# Altium PCB PIXHACK_V3X2.PcbDoc (part 1 of 3) (continued)
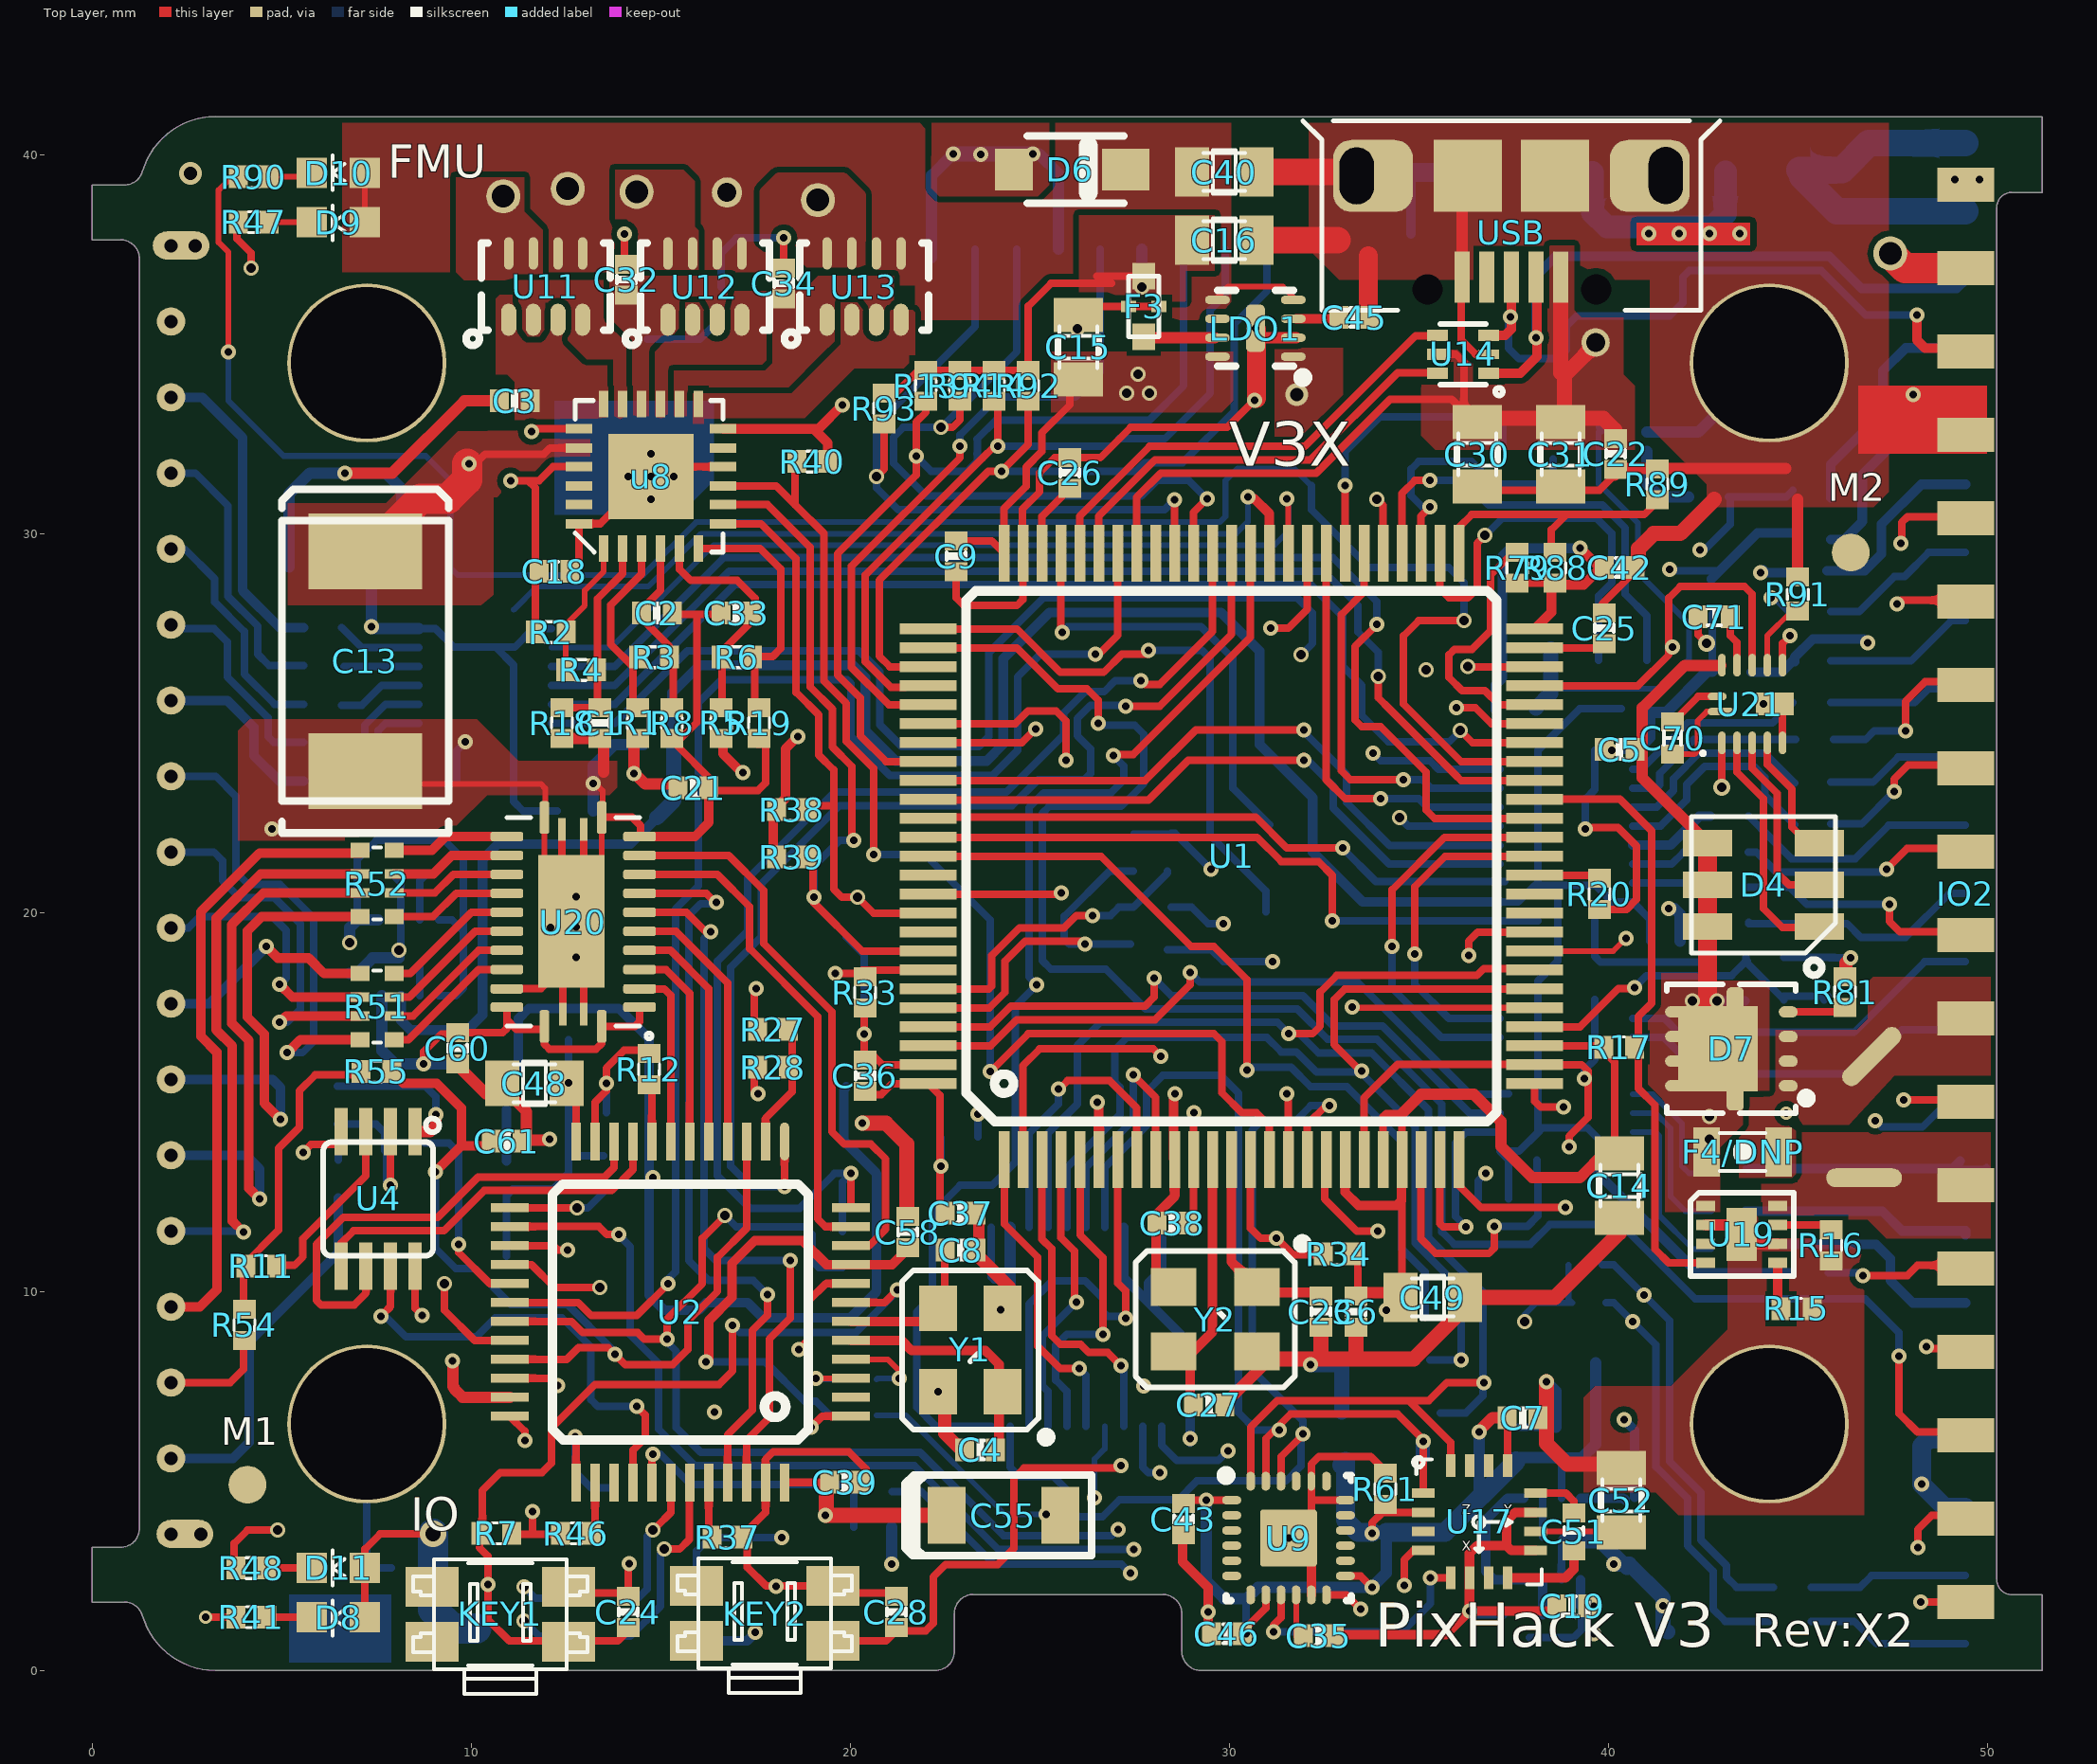
[diagram p0: Top Layer view]
## Components (designator, comment, footprint, x,y, rotation, side; value= is the part's Value field where it differs from the comment) (continued)
M1 "MARK" MARK 4.1,4.9 r0 top
M2 "MARK" MARK 46.4,29.5 r0 top
M3 "MARK" MARK 5.3,11.5 r180 bottom
M4 "MARK" MARK 36.4,34.8 r180 bottom
R1 "309k" R0402 14.4,25 r270 top
R2 "453K" R0402 12.1,27.4 r180 top
R3 "24.9k" R0402 14.824,26.736 r180 top
R4 "56K" R0402 12.9,26.4 r180 top
R5 "453K" R0402 16.6,25 r270 top
R6 "56K" R0402 17.006,26.736 r180 top
R7 "10k" R0402 10.666,3.617 r0 top
R8 "75k" R0402 15.3,25 r90 top
R9 "100R" R0402 44.866,2.217 r180 bottom
R10 "100R" R0402 44.866,1.217 r180 bottom
R11 "220R" R0402 4.466,10.667 r180 top
R12 "10K" R0402 14.691,15.867 r270 top
R13 "0402R100K" 0402R#1 22,33.9 r90 top
R14 "0402R100K" 0402R#1 23.8,33.9 r90 top
R15 "10K" R0402 44.968,9.544 r0 top
R16 "16.5K" R0402 45.882,11.22 r270 top
R17 "10K" R0402 40.291,16.442 r0 top
R18 "105k" R0402 12.4,25 r90 top
R19 "105k" R0402 17.6,25 r90 top
R20 "10k" R0402 39.766,20.492 r270 top
R21 "10k" R0402 44.141,17.692 r180 bottom
R22 "10K" R0402 44.141,18.692 r180 bottom
R23 "10k" R0402 45.366,30.017 r0 bottom
R24 "1M" R0402 42.741,28.292 r90 bottom
R25 "10k" R0402 39.4,10.8 r0 bottom
R26 "10k" R0402 45.366,28.017 r0 bottom
R27 "10K" R0402 17.966,16.917 r0 top
R28 "5.1K" R0402 17.966,15.917 r0 top
R29 "2K2" R0402 28.55,21.6 r270 bottom
R30 "10k" R0402 39.4,9.7 r0 bottom
R31 "2K2" R0402 27.35,21.6 r270 bottom
R32 "10k" R0402 45.366,29.017 r0 bottom
R33 "10k" R0402 20.391,17.892 r270 top
R34 "10k" R0402 32.891,10.992 r0 top
R35 "10k" R0402 45.366,31.117 r0 bottom
R36 "1M" R0402 42.666,30.942 r0 bottom
R37 "10K" R0402 16.766,3.517 r180 top
R38 "1M" R0402 18.466,22.717 r0 top
R39 "1M" R0402 18.466,21.467 r0 top
R40 "1M" R0402 19,31.9 r180 top
R41 "1K" R0402 4.2,1.4 r0 top
R42 "10K" R0402 20.6,3.8 r180 bottom
R43 "10k" R0402 45.366,26.617 r0 bottom
R44 "10K" R0402 43.266,26.317 r0 bottom
R45 "220r" R0402 10.95,15.2 r90 bottom
R46 "10K" R0402 12.766,3.617 r0 top
R47 "1k" R0402 4.266,38.217 r180 top
R48 "1k" R0402 4.2,2.7 r180 top
R49 "1K" R0402 37.516,25.317 r0 bottom
R50 "220R" R0402 6.566,12.917 r90 bottom
R51 "100R" 0402_4R 7.491,17.542 r270 top
R52 "100R" 0402_4R 7.491,20.792 r270 top
R53 "1k" R0402 8.266,13.892 r0 bottom
R54 "220R" R0402 4.016,9.117 r270 top
R55 "1K" R0402 7.5,15.8 r180 top
R56 "100R" R0402 6.091,27.642 r180 bottom
R57 "100R" R0402 6.091,26.567 r180 bottom
R58 "100R" R0402 6.091,25.492 r180 bottom
R59 "22R" R0402 6.091,24.442 r180 bottom
R60 "100R" R0402 6.091,23.367 r180 bottom
R61 "10K" R0402 34.116,4.792 r270 top
R62 "1K" R0402 20.6,4.7 r0 bottom
R63 "100R" R0402 43.166,20.617 r0 bottom
R64 "100R" R0402 43.166,21.517 r0 bottom
R65 "100R" R0402 43.166,22.517 r0 bottom
R66 "100R" R0402 45.366,22.317 r0 bottom
R67 "100R" R0402 45.366,23.417 r0 bottom
R68 "100R" R0402 45.366,24.417 r0 bottom
R69 "100R" R0402 45.366,25.517 r0 bottom
R70 "100R" R0402 43.166,11.117 r0 bottom
R71 "100R" R0402 43.166,12.117 r0 bottom
R72 "100R" R0402 43.166,13.117 r0 bottom
R73 "100R" R0402 27.966,19.017 r0 bottom
R74 "100R" R0402 27.966,20.117 r0 bottom
R75 "100R" R0402 43.166,15.617 r0 bottom
R76 "100R" R0402 43.166,16.717 r0 bottom
R77 "100R" R0402 43.166,19.717 r180 bottom
R78 "100R" R0402 45.316,10.517 r180 bottom
R79 "10K" R0402 37.6,29.1 r270 top
R80 "1k" R0402 16.6,36.1 r90 bottom
R81 "1k" R0402 46.25,17.9 r90 top
R82 "10k" R0402 19.7,7.2 r270 bottom
R83 "10k" R0402 20.7,7.2 r270 bottom
R84 "220R" R0402 19.8,11.1 r90 bottom
R85 "220R" R0402 13.5,13.1 r270 bottom
R86 "220R" R0402 13.5,0.9 r0 bottom
R87 "220R" R0402 13.5,1.9 r0 bottom
R88 "10K" R0402 38.6,29.1 r270 top
R89 "10K/DNP" R0402 41.3,31.3 r90 top
R90 "1k" R0402 4.266,39.417 r180 top
R91 "62K" 0402R#2 45,28.4 r270 top
R92 "0402R100K" 0402R#1 24.7,33.9 r90 top
R93 "0402R100K" 0402R#1 20.9,33.3 r90 top
R94 "0402R100K" 0402R#1 22.9,33.9 r90 top
TF1 "5033981892" 5033981892 27.7,32.7 r180 bottom locked
U1 "STM32F427VIT6" TQFP100_2 30.61,21.159 r90 top locked
U2 "STM32F103C8T6" TQFP48 15.37,9.558 r180 top
U3 "TXS0108ERGYR" QFN20-RGY 10.45,26.2 r270 bottom
U4 "74LVC2G240DP" "TSSOP8 - duplicate" 7.598,12.623 r270 top
U5 "FM25V02-G" SO-8 39.116,29.817 r270 bottom
U6 "TXS0108ERGYR" QFN20-RGY 38.816,21.567 r90 bottom
U7 "TXS0108ERGYR" QFN20-RGY 38.816,14.992 r90 bottom
u8 "LTC4417IUF#PBF" QFN24 14.774,31.539 r90 top
U9 "MPU9250/DNP" QFN24-0.4 31.566,3.492 r0 top
U10 "MIC5330-SSYML" MIC5530#2 8.4,18.8 r270 bottom
U11 "NTHD4102PT1G" 1206A-03 11.966,36.517 r90 top
U12 "NTHD4102PT1G" 1206A-03 16.166,36.517 r90 top
U13 "NTHD4102PT1G" 1206A-03 20.366,36.517 r90 top
U14 "NUF2042XV6T1G" SOT563-6 36.216,34.692 r180 top
U16 "PWR1-2" PAS414R-S-VE5R 19.8,17.2 r180 bottom
U17 "HMC5983/DNP" HMC5983 36.691,3.892 r0 top
U18 "ms5611" ms5611 34.091,7.492 r270 bottom
U19 "BQ24315DSGR" QFN8 43.518,11.505 r0 top
U20 "SN74LVC8T245" QFN24-RGY 12.641,19.642 r90 top
U21 "NCP5623C" "LLGA12, 2x2" 43.8,25.5 r90 top
USB "47589-0001" "MOLES USB" 37.37,38.164 r0 top
Y1 "NX3225SA-24.000M-STD-CRS-2" TSX-3225 23.252,8.488 r270 top
Y2 "NX3225SA-24.000M-STD-CRS-2" TSX-3225 29.594,9.348 r0 top

## Footprints (in the part's own frame and the unit in brackets; to place one, negate y for a bottom-side part, rotate by r counter-clockwise, add the part's x,y. Pads: shape width x height; smd on the part's side, far side on the other; paste and mask are expansions set on the pad)
0402_4R [mm]
  rect 0.4x0.5 smd: 1(-0.85,-0.425) 4(0.9,-0.425) 5(0.9,0.475) 8(-0.85,0.475)
  rect 0.25x0.5 smd: 2(-0.225,-0.425) 3(0.275,-0.425) 6(0.275,0.475) 7(-0.225,0.475)
  silkscreen extent -0.93,-0.08 0.97,0.12, body extent -0.97,-0.5 1.03,0.5, height 0.45
0402C [mm]
  rect 0.5x0.6 smd: 1(-0.425,0) 2(0.425,0)
  silkscreen extent -0.18,-0.23 0.17,0.23, body extent -0.5,-0.25 0.5,0.25, height 0.5
0402CAP#1 [mm]
  rect 0.5x0.6 smd: 1(-0.41,0) 2(0.41,0)
  silkscreen extent -0.1,-0.25 0.1,0.25, body extent -0.5,-0.25 0.5,0.25, height 0.5
0402CAP#2 [mm]
  rect 0.5x0.6 smd: 1(-0.48,0) 2(0.53,0)
  silkscreen extent -0.1,-0.25 0.1,0.25, body extent -0.5,-0.25 0.5,0.25, height 0.5
0402CAP#3 [mm]
  rect 0.5x0.6 smd: 1(-0.41,0) 2(0.467,0)
  silkscreen extent -0.1,-0.25 0.1,0.25, body extent -0.5,-0.25 0.5,0.25, height 0.5
0402R#1 [mm]
  rect 0.5x0.6 smd: 1(-0.41,0) 2(0.41,0)
  silkscreen extent -0.13,-0.27 0.14,0.28, body extent -0.5,-0.25 0.5,0.25, height 0.3
0402R#2 [mm]
  rect 0.5x0.6 smd: 1(-0.45,0) 2(0.45,0)
  silkscreen extent -0.13,-0.27 0.14,0.28, body extent -0.5,-0.25 0.5,0.25, height 0.3
0603-LED-Green [mm]
  rect 0.8x0.8 smd: 1(-0.7,0) 2(0.7,0)
  silkscreen extent -0.16,-0.44 0.15,0.48, body extent -0.83,-0.38 0.77,0.42, height 0.6
0603-LED-RED [mm]
  rect 0.8x0.8 smd: 1(-0.7,0) 2(0.7,0)
  silkscreen extent -0.16,-0.44 0.15,0.48, body extent -0.81,-0.38 0.81,0.42, height 0.6
0603-LED-Yellow [mm]
  rect 0.8x0.8 smd: 1(-0.7,0) 2(0.7,0)
  silkscreen extent -0.16,-0.46 0.15,0.46, body extent -0.81,-0.4 0.81,0.4, height 1.1
0805CAP#1 [mm]
  rect 0.9x1.3 smd: 1(-0.85,-0.025) 2(0.85,-0.025)
  silkscreen extent -0.55,-0.6 0.55,0.55, body extent -1,-0.62 1,0.58, height 1.2
0805CAP#2 [mm]
  rect 0.9x1.2 smd: 1(-0.85,-0.025) 2(0.85,-0.025)
  silkscreen extent -0.55,-0.6 0.55,0.55, body extent -1,-0.62 1,0.58, height 1.2
0805L [mm]
  rect 0.7x1.3 smd: 1(-0.95,0.025) 2(0.95,0.025)
  silkscreen extent -0.6,-0.47 0.6,0.53, body extent -0.97,-0.6 1.03,0.65, height 0.45
1206A-03 [mm]
  oval 0.85x0.4 smd: 1(-0.875,0.975) 2(-0.875,0.325) 3(-0.875,-0.325) 4(-0.875,-0.975)
  oval 0.85x0.25 smd: 5(0.875,-0.975) 6(0.875,-0.325) 7(0.875,0.325) 8(0.875,0.975)
  silkscreen extent -1.55,-1.7 1.15,2.1, body extent -1.2,-1.55 1.2,1.55, height 1.05
7343CAP#1 [mm]
  rect 2x2.5 smd: A(-2.518,-0.084) C(3.289,-0.084)
  silkscreen extent -4.15,-2.28 4.92,2.12, body extent -3.14,-2.4 4.16,1.9, height 2.25
7343CAP#2 [mm]
  rect 2x3 smd: A(-2.518,-0.084) C(3.289,-0.084)
  silkscreen extent -4.15,-2.28 4.92,2.12, body extent -3.14,-2.4 4.16,1.9, height 2.25
0547220204 [mm]
  rect 0.25x1.25 smd: 1(-2.05,2.475) 2(-1.55,2.475) 3(-1.05,2.475) 4(-0.55,2.475) 5(-0.05,2.475) 6(0.45,2.475) 7(0.95,2.475) 8(1.45,2.475) 9(1.95,2.475) 10(2.45,2.475) 11(2.45,-2.775) 12(1.95,-2.775) 13(1.45,-2.775) 14(0.95,-2.775) 15(0.45,-2.775) 16(-0.05,-2.775) 17(-0.55,-2.775) 18(-1.05,-2.775) 19(-1.55,-2.775) 20(-2.05,-2.775)
  silkscreen extent -3.58,-2.67 3.97,2.33, body extent -3.6,-3.13 4,2.87, height 1.07
5033981892 [mm]
  rect 0.7x0.9 smd: 0(-5.1,-7.4) 10(-0.8,-7.4)
  rect 1x3 smd: 0(5.5,-6.025) 6(-7.25,-6.025)
  rect 0.7x1.5 smd: 1(-3.3,5) 2(-2.2,5) 3(-1.1,5) 4(0,5) 5(1.1,5) 6(2.2,5) 7(3.3,5) 8(4.4,5)
  rect 1.25x2 smd: 6(-7.1,5.2)
  rect 0.75x3 smd: 6(5.55,4.775)
  silkscreen extent -7.54,-7.58 5.74,9.5, body extent -7.45,-7.52 5.65,6.53, height 1.26
c1206a [mm]
  rect 1x1.5 smd: 1(0,0) 2(3,0)
  silkscreen extent -1.09,-1.07 3.83,1.07, body extent -0.1,-0.81 3.1,0.79, height 0.95
DFN3x3_8L [mm]
  oval 0.5x0.3 smd: 1(-1.6,-0.325) 1(-1.6,0.325) 1(-1.6,0.975) 4(-1.6,-0.975) 5(1.4,-0.975) 5(1.4,-0.325) 5(1.4,0.325) 5(1.4,0.975)
  rrect50% 0.45x3.25 smd: 5(-0.2,0)
  rect 2.1x2.25 smd: 5(0.25,0)
  silkscreen extent -2.2,-1.7 1.6,1.7, body extent -1.6,-1.5 1.42,1.5, height 0.8
ESD0402 [mm]
  rect 0.5x0.6 smd: 1(-0.55,-0.025) 2(0.45,-0.025)
  silkscreen extent -0.05,-0.33 -0.05,0.27, body extent -0.55,-0.28 0.45,0.22, height 0.3
EVQ-P7J01P#1 [mm]
  rect 1.4x1.05 smd: A1(-1.799,0.763) A2(1.801,0.763) A3(-1.799,-0.687) A4(1.801,-0.687)
  silkscreen extent -2.3,-2.06 2.3,1.49, body extent -2.35,-2.05 2.35,1.5, height 1.35
EVQ-P7J01P#2 [mm]
  rect 1.4x1.05 smd: A1(-1.799,0.763) A2(1.801,0.763) A4(1.801,-0.687) B3(-1.799,-0.687)
  silkscreen extent -2.3,-2.06 2.3,1.49, body extent -2.35,-2.05 2.35,1.5, height 1.35
HMC5983 [mm]
  rect 0.6x0.25 smd: 1(-1.577,0.784) 2(-1.577,0.276) 3(-1.577,-0.228) 4(-1.577,-0.728) 9(1.393,-0.728) 10(1.393,-0.228) 11(1.393,0.276) 12(1.393,0.784)
  rect 0.25x0.6 smd: 5(-0.852,-1.453) 6(-0.352,-1.453) 7(0.152,-1.453) 8(0.66,-1.453) 13(0.66,1.518) 14(0.152,1.518) 15(-0.352,1.518) 16(-0.852,1.518)
  silkscreen extent -1.83,-1.63 1.55,1.73, body extent -1.6,-1.47 1.44,1.57, height 0.9
KYOCERA-KNH16-DA [mm]
  rect 0.3x0.4 smd: 0(0.022,0.283) 0(0.022,-0.517)
  rect 0.7x0.6 smd: 1(0.822,-0.117) 2(-0.778,-0.117)
  silkscreen extent -0.78,-0.52 0.82,0.28
"LLGA12, 2x2" [mm] "QFN, 14-Leads, Body 2.00x2.00mm, Pitch 0.40mm, Thermal Pad 0.40x1.00mm, IPC Medium Density"
  oval 0.2x0.7 smd: 1(-0.2,0.825)
  oval 0.6x0.2 smd: 2(-1.025,0.8) 3(-1.025,0.4) 4(-1.025,0) 5(-1.025,-0.4) 6(-1.025,-0.8) 7(1.025,-0.8) 8(1.025,-0.4) 9(1.025,0) 10(1.025,0.4) 11(1.025,0.8)
  oval 0.2x0.5 smd: 12(0.2,0.925)
  rect 0.6x1 smd: EXDPAD(0,-0.6)
  silkscreen extent -1.35,1.25 -1.25,1.35, body extent -1.05,-1.05 1.05,1.05, height 0.85
LRTB [mm]
  rect 0.7x1.3 smd: A1(-1.008,1.477) A2(0.092,1.477) A3(1.192,1.477) C1(-1.008,-1.473) C2(0.092,-1.473) C3(1.192,-1.473)
  silkscreen extent -2.29,-1.9 1.89,1.9, body extent -1.67,-1.8 1.83,1.8, height 2.01
MARK [mm]
  round 1 smd: 1(0,0)
mic5530 [mm] "QFN, 8-Leads, Body 2.0x2.0mm (max), Pitch 0.00mm, Pitch1 0.50mm, IPC Medium Density"
  oval 0.65x0.225 smd: 1(-1,0.75) 2(-1,0.25) 3(-1,-0.25) 4(-1,-0.75) 5(1,-0.75) 6(1,-0.25) 7(1,0.25) 8(1,0.75)
  rrect50% 0.5x1.25 smd: 2(0,0)
  silkscreen extent -1.38,-1 1,1.42, body extent -1,-1 1,1, height 0.85
MIC5530#1 [mm] "QFN, 8-Leads, Body 2.0x2.0mm (max), Pitch 0.00mm, Pitch1 0.50mm, IPC Medium Density"
  oval 0.65x0.225 smd: 1(-1,0.75) 2(-1,0.25) 3(-1,-0.25) 4(-1,-0.75) 5(1,-0.75) 6(1,-0.25)
  rrect50% 0.5x1.25 smd: 2(0,0)
  oval 0.65x0.25 smd: 7(1,0.25) 8(1,0.75)
  silkscreen extent -1.37,-1 1,1.43, body extent -1,-1 1,1, height 0.85
MIC5530#2 [mm] "QFN, 8-Leads, Body 2.0x2.0mm (max), Pitch 0.00mm, Pitch1 0.50mm, IPC Medium Density"
  oval 0.65x0.225 smd: 1(-1,0.75) 2(-1,0.25) 3(-1,-0.25) 4(-1,-0.75) 5(1,-0.75) 6(1,-0.25) 7(1,0.25) 8(1,0.75)
  rrect50% 0.5x1.25 smd: 2(0,0)
  silkscreen extent -1.37,-1 1,1.42, body extent -1,-1 1,1, height 0.85
"MOLES USB" [mm]
  round 0 hole 0.8: 0(2.308,-1.716) 5(-2.142,-1.716)
  rect 0.4x1.35 smd: 1(1.376,-1.4) 2(0.726,-1.4) 3(0.075,-1.4) 4(-0.575,-1.4) 5(-1.225,-1.4)
  round 0 hole 0.9 slot 1.5 at 90 deg: 5(-4.005,1.275) 5(4.149,1.282)
  rrect50% 2.1x1.9 smd: 5(-3.575,1.273) 5(3.726,1.273)
  rect 1.8x1.9 smd: 5(-1.073,1.273) 5(1.227,1.273)
  Top Layer lines w0.254: 0.02,-1.88 0.071,-1.829 0.075,-1.825
  silkscreen extent -5.42,-2.27 5.58,2.73, body extent -3.92,-1.87 4.06,3.56, height 2.67
ms5611 [mm]
  rect 0.6x1.1 smd: 1(1.925,1.125) 2(0.675,1.125) 3(-0.575,1.125) 4(-1.825,1.125) 5(-1.825,-1.075) 6(-0.575,-1.075) 7(0.675,-1.075) 8(1.925,-1.075)
  silkscreen extent -2.7,-1.73 2.8,1.77, body extent -2.47,-1.53 2.53,1.47, height 1
PAS414R-S-VE5R [mm]
  rect 2.6x1 smd: 1(-0.1,-1.799)
  rect 3.2x1.2 smd: 2(-0.1,2.151)
  silkscreen extent -2.5,-2.55 2.3,2.25
PIX_OP [mm]
  rect 1.5x0.9 smd: 1(0.323,-17.456) 2(0.323,-15.256) 3(0.323,-13.056) 4(0.323,-10.856) 5(0.323,-8.656) 6(0.323,-6.456) 7(0.323,-4.256) 8(0.323,-2.056) 9(0.323,0.144) 10(0.323,2.344) 11(0.323,4.544) 12(0.323,6.744) 13(0.323,8.944) 14(0.323,11.144) 15(0.323,13.344) 16(0.323,15.544) 17(0.323,17.744) 18(0.323,19.944)
  rect 1.4x0.8 smd far side: 19(0.315,-18.556) 20(0.315,-16.756) 21(0.315,-14.956) 22(0.315,-13.156) 23(0.315,-11.356) 24(0.315,-9.556) 25(0.315,-7.756) 26(0.315,-5.956) 27(0.315,-4.156) 28(0.315,-2.356) 29(0.315,-0.556) 30(0.315,1.244) 31(0.315,3.044) 32(0.315,4.844) 33(0.315,6.644) 34(0.315,8.444) 35(0.315,10.244) 36(0.315,12.044) 37(0.315,13.844) 38(0.315,15.644) 39(0.315,17.444) 40(0.315,19.244) 41(0.315,21.044)
  Keep-Out Layer lines w0.002: 0.323,-19.256 2.337,-19.256 ; 1.137,-19.256 2.337,-19.256 ; 1.137,21.744 2.337,21.744 ; 2.337,-19.256 2.337,-17.256 ; 2.337,-19.256 2.337,-17.256 ; 2.337,-17.256 1.537,-17.256 cw(c1.537,-16.856) 1.137,-16.856 1.137,19.344 cw(c1.537,19.344) 1.537,19.744 2.337,19.744 ; 2.337,19.744 2.337,21.744 ; 2.337,19.744 2.337,21.744
pix_pwm_out [mm]
  rect 2x1 smd far side: 1(-3.41,-11.235)
  rect 1.5x1 smd far side: 2(-3.645,-9.235) 3(-3.645,-7.235) 4(-3.645,-5.235) 5(-3.645,-3.235) 6(-3.645,-1.235) 7(-3.645,0.765) 8(-3.645,2.765) 9(-3.645,4.765) 10(-3.645,6.765) 11(-3.645,8.765) 12(-3.645,10.765) 13(-3.645,12.765) 14(-3.645,14.765) 15(-3.645,16.765) 16(-3.645,18.765) 17(-3.645,20.765)
  rect 1.8x1 smd far side: 18(-3.51,22.765)
QFN8 [mm]
  rect 0.5x0.28 smd: 1(-0.95,0.75) 2(-0.95,0.25) 3(-0.95,-0.25) 4(-0.95,-0.75) 5(0.95,-0.75) 6(0.95,-0.25) 7(0.95,0.25) 8(0.95,0.75)
  rect 0.8x1.4 smd: 6(0,0)
  silkscreen extent -1.35,-1.1 1.38,1.1, body extent -1.03,-1 1.08,1, height 0.94
QFN20-RGY [mm]
  rect 0.85x0.28 smd: 1(-1.79,-0.672) 10(2.71,-0.672) 11(2.71,0.828) 20(-1.79,0.828)
  rect 0.28x0.85 smd: 2(-1.29,-1.672) 3(-0.79,-1.672) 4(-0.29,-1.672) 5(0.21,-1.672) 6(0.71,-1.672) 7(1.21,-1.672) 8(1.71,-1.672) 9(2.21,-1.672) 12(2.21,1.828) 13(1.71,1.828) 14(1.21,1.828) 15(0.71,1.828) 16(0.21,1.828) 17(-0.29,1.828) 18(-0.79,1.828) 19(-1.29,1.828)
  silkscreen extent -2.11,-1.99 2.71,1.83, body extent -1.77,-1.73 2.67,1.83, height 1
QFN24 [mm]
  rect 0.7x0.25 smd: 1(-1.928,1.276) 2(-1.928,0.775) 3(-1.928,0.276) 4(-1.928,-0.225) 5(-1.928,-0.724) 6(-1.928,-1.225) 13(1.872,-1.225) 14(1.872,-0.724) 15(1.872,-0.225) 16(1.872,0.276) 17(1.872,0.775) 18(1.872,1.276)
  rect 0.25x0.7 smd: 7(-1.278,-1.875) 8(-0.778,-1.875) 9(-0.278,-1.875) 10(0.222,-1.875) 11(0.722,-1.875) 12(1.222,-1.875) 19(1.222,1.926) 20(0.722,1.926) 21(0.222,1.926) 22(-0.278,1.926) 23(-0.778,1.926) 24(-1.278,1.926)
  rect 2.25x2.25 smd: 10(-0.028,0.026)
  silkscreen extent -2.03,-1.88 1.97,2.03, body extent -2.02,-1.92 1.97,2.07, height 1
QFN24-0.4 [mm] "QFN24-0.4"
  oval 0.5x0.225 smd: 1(-1.5,1) 2(-1.5,0.6) 3(-1.5,0.2) 4(-1.5,-0.2) 5(-1.5,-0.6) 6(-1.5,-1) 13(1.5,-1) 14(1.5,-0.6) 15(1.5,-0.2) 16(1.5,0.2) 17(1.5,0.6) 18(1.5,1)
  oval 0.225x0.5 smd: 7(-1,-1.5) 8(-0.6,-1.5) 9(-0.2,-1.5) 10(0.2,-1.5) 11(0.6,-1.5) 12(1,-1.5) 19(1,1.5) 21(0.2,1.5) 22(-0.2,1.5) 23(-0.6,1.5) 24(-1,1.5)
  rrect10% 1.5x1.5 smd: 20(0,0)
  oval 0.2x0.5 smd: 20(0.6,1.5)
  silkscreen extent -1.77,-1.65 1.65,1.77, body extent -1.5,-1.5 1.5,1.5, height 1
QFN24-RGY [mm]
  rrect50% 0.864x0.25 smd mask+0.07: 1(-2.647,-0.804) 12(2.864,-0.804) 13(2.864,0.708) 24(-2.647,0.708)
  rrect50% 0.25x0.864 smd mask+0.07: 2(-2.139,-1.804) 3(-1.656,-1.804) 4(-1.148,-1.804) 5(-0.64,-1.804) 6(-0.136,-1.804) 7(0.364,-1.804) 8(0.864,-1.804) 9(1.364,-1.804) 10(1.864,-1.804) 11(2.364,-1.804) 14(2.364,1.699) 15(1.864,1.699) 16(1.364,1.699) 17(0.864,1.699) 18(0.364,1.699) 19(-0.136,1.699) 20(-0.64,1.699) 21(-1.148,1.699) 22(-1.656,1.699) 23(-2.139,1.699)
  rect 0.6x0.2 smd mask+0.07: 22(-2.325,-0.325) 22(-2.325,0.225) 22(2.55,-0.325) 22(2.55,0.25)
  rect 3.5x1.75 smd mask+0.07: 22(0.125,0)
  silkscreen extent -2.98,-2.13 2.86,1.7, body extent -2.65,-1.8 2.87,1.72, height 1
R0402 [mm]
  rect 0.5x0.6 smd: 1(-0.41,0) 2(0.41,0)
  silkscreen extent -0.13,-0.27 0.14,0.28, body extent -0.5,-0.25 0.5,0.25, height 0.3
SO-8 [mil]
  round 20 on Bottom Overlay: 0(-28.5,62.8)
  rect 59.06x25 smd: 1(-112.5,75)
  rrect50% 59.06x25 smd: 2(-112.5,25) 3(-112.5,-25) 4(-112.5,-75) 5(112.5,-75) 6(112.5,-25) 7(112.5,25) 8(112.5,75)
  silkscreen extent -51,-99 50,101, body extent -118,-96 118,96
SOD323 [mm]
  rect 0.6x0.8 smd: 1(-0.217,1.264) 2(-0.217,-1.236)
  silkscreen extent -0.87,-1.56 0.43,1.26, body extent -0.87,-1.28 0.48,1.32, height 1.1
SOD-123#1 [mm]
  rect 1x1.1 smd: 1(-1.427,0.107)
  rect 1.25x1.1 smd: 2(1.523,0.107)
  silkscreen extent -1.07,-0.78 1.47,1, body extent -1.77,-0.7 1.93,0.9, height 1.27
SOD-123#2 [mm]
  rect 1.1x1.25 smd: 1(-1.427,0.107)
  rect 1.25x1.25 smd: 2(1.323,0.107)
  silkscreen extent -1,-0.78 1.54,1, body extent -1.77,-0.65 1.93,0.95, height 1.27
SOT563-6 [mm]
  rect 0.55x0.3 smd: 1(-0.635,0.459) 3(-0.635,-0.541) 4(0.715,-0.541) 5(0.715,-0.041) 6(0.715,0.459)
  rect 0.55x0.25 smd: 2(-0.635,-0.041)
  silkscreen extent -1,-0.84 0.64,1.05, body extent -0.76,-0.85 0.86,0.75, height 0.58
TQFP48 [mm]
  rect 1x0.24 smd: 1(-4.65,2.85) 2(-4.65,2.35) 3(-4.65,1.85) 4(-4.65,1.35) 5(-4.65,0.85) 6(-4.65,0.35) 7(-4.65,-0.15) 8(-4.65,-0.65) 9(-4.65,-1.15) 10(-4.65,-1.65) 11(-4.65,-2.15) 12(-4.65,-2.65) 25(4.35,-2.65) 26(4.35,-2.15) 27(4.35,-1.65) 28(4.35,-1.15) 29(4.35,-0.65) 30(4.35,-0.15) 31(4.35,0.35) 32(4.35,0.85) 33(4.35,1.35) 34(4.35,1.85) 35(4.35,2.35) 36(4.35,2.85)
  oval 0.24x1 smd: 13(-2.9,-4.4)
  rect 0.24x1 smd: 14(-2.4,-4.4) 15(-1.9,-4.4) 16(-1.4,-4.4) 17(-0.9,-4.4) 18(-0.4,-4.4) 19(0.1,-4.4) 20(0.6,-4.4) 21(1.1,-4.4) 22(1.6,-4.4) 23(2.1,-4.4) 24(2.6,-4.4) 37(2.6,4.6) 38(2.1,4.6) 39(1.6,4.6) 40(1.1,4.6) 41(0.6,4.6) 42(0.1,4.6) 43(-0.4,4.6) 44(-0.9,4.6) 45(-1.4,4.6) 46(-1.9,4.6) 47(-2.4,4.6) 48(-2.9,4.6)
  silkscreen extent -3.52,-3.27 3.23,3.48, body extent -4.66,-4.41 4.36,4.61, height 1.1
TQFP100_2 [mm]
  rect 1.5x0.29 smd: 1(-7.675,6.55) 2(-7.675,6.05) 3(-7.675,5.55) 4(-7.675,5.05) 5(-7.675,4.55) 6(-7.675,4.05) 7(-7.675,3.55) 8(-7.675,3.05) 9(-7.675,2.55) 10(-7.675,2.05) 11(-7.675,1.55) 12(-7.675,1.05) 13(-7.675,0.55) 14(-7.675,0.05) 15(-7.675,-0.45) 16(-7.675,-0.95) 17(-7.675,-1.45) 18(-7.675,-1.95) 19(-7.675,-2.45) 20(-7.675,-2.95) 21(-7.675,-3.45) 22(-7.675,-3.95) 23(-7.675,-4.45) 24(-7.675,-4.95) 25(-7.675,-5.45) 51(8.325,-5.45) 52(8.325,-4.95) 53(8.325,-4.45) 54(8.325,-3.95) 55(8.325,-3.45) 56(8.325,-2.95) 57(8.325,-2.45) 58(8.325,-1.95) 59(8.325,-1.45) 60(8.325,-0.95) 61(8.325,-0.45) 62(8.325,0.05) 63(8.325,0.55) 64(8.325,1.05) 65(8.325,1.55) 66(8.325,2.05) 67(8.325,2.55) 68(8.325,3.05) 69(8.325,3.55) 70(8.325,4.05) 71(8.325,4.55) 72(8.325,5.05) 73(8.325,5.55) 74(8.325,6.05) 75(8.325,6.55)
  rect 0.29x1.5 smd: 26(-5.675,-7.45) 27(-5.175,-7.45) 28(-4.675,-7.45) 29(-4.175,-7.45) 30(-3.675,-7.45) 31(-3.175,-7.45) 32(-2.675,-7.45) 33(-2.175,-7.45) 34(-1.675,-7.45) 35(-1.175,-7.45) 36(-0.675,-7.45) 37(-0.175,-7.45) 38(0.325,-7.45) 39(0.825,-7.45) 40(1.325,-7.45) 41(1.825,-7.45) 42(2.325,-7.45) 43(2.825,-7.45) 44(3.325,-7.45) 45(3.825,-7.45) 46(4.325,-7.45) 47(4.825,-7.45) 48(5.325,-7.45) 49(5.825,-7.45) 50(6.325,-7.45) 76(6.325,8.55) 77(5.825,8.55) 78(5.325,8.55) 79(4.825,8.55) 80(4.325,8.55) 81(3.825,8.55) 82(3.325,8.55) 83(2.825,8.55) 84(2.325,8.55) 85(1.825,8.55) 86(1.325,8.55) 87(0.825,8.55) 88(0.325,8.55) 89(-0.175,8.55) 90(-0.675,8.55) 91(-1.175,8.55) 92(-1.675,8.55) 93(-2.175,8.55) 94(-2.675,8.55) 95(-3.175,8.55) 96(-3.675,8.55) 97(-4.175,8.55) 98(-4.675,8.55) 99(-5.175,8.55) 100(-5.675,8.55)
  silkscreen extent -6.67,-6.45 7.33,7.55, body extent -7.65,-7.45 8.35,8.55, height 1.2
"TSSOP8 - duplicate" [mm]
  rect 1.25x0.35 smd: 1(-1.595,0.925) 2(-1.595,0.275) 3(-1.595,-0.375) 4(-1.595,-1.025) 5(1.955,-1.025) 6(1.955,-0.375) 7(1.955,0.275) 8(1.955,0.925)
  silkscreen extent -1.94,-1.5 1.68,1.56, body extent -1.93,-1.6 2.17,1.5, height 1.1
TSX-3225 [mm]
  rect 1.2x1 smd: 1(1.133,0.764) 2(-1.067,0.764) 3(-1.067,-0.936) 4(1.133,-0.936)
  silkscreen extent -2.07,-1.89 2.43,2.01, body extent -1.6,-1.33 1.6,1.17, height 0.6

## Part data
C1 C2 C3 C4 C5 C6 C8 C9 C10 C11 C14 C15 C16 C17 C18 C19 C20 C21 C22 C23 C24 C25 C26 C27 C28 C29 C30 C31 C32 C33 C34 C36 C37 C38 C39 C40 C41 C42 C44 C45 C48 C49 C50 C54 C55 C56 C57 C58 C59 C60 C61 C62 C63 C64 C65 C66 C67 C68 C69: library part Cap
C7 C35 C43 C46 C47 C51 C52 C53: library part Cap, "Capacitor"
C12 C13: library part "Cap Pol1", "Polarized Capacitor (Radial)"
C70 C71: library part 0402C100NF, "50V 5%"
D1 D2 d5 D6: library part "D Schottky", "Schottky Diode"
D3 D7: library part P_MOS_2
ESD2: library part ESD0402
F2 F4/DNP: library part "Fuse 1", "Fuse"
L1 R1 R2 R3 R4 R5 R6 R7 R8 R9 R10 R11 R12 R15 R16 R17 R18 R19 R20 R21 R22 R23 R24 R25 R26 R27 R28 R29 R30 R31 R32 R33 R34 R35 R36 R37 R38 R39 R40 R41 R42 R43 R44 R45 R46 R47 R48 R49 R50 R53 R54 R55 R56 R57 R58 R59 R60 R61 R62 R63 R64 R65 R66 R67 R68 R69 R70 R71 R72 R73 R74 R75 R76 R77 R78 R79 R80 R81 R82 R83 R84 R85 R86 R87 R88 R89 R90 R91: library part Res2, "Resistor"
LDO1 LDO2 U10: library part MIC5530
R13 R14 R92 R93 R94: library part 0402R10K
R51 R52: library part 0402_4R
U1: "ARM Cortex-M4 32-bit MCU+FPU, 210 DMIPS, 2048 kB Flash, 256 kB Internal RAM, 82 I/Os, 100-pin LQFP, -40 to 85 degC, Tray"
U3 U6 U7: library part TXS0108E
U4: library part 74LVC2G240
U5: library part Component_1
U9: library part MPU9250
U16: library part PWR1-2_1
U17: library part HMC5983
U19: library part BQ243156
USB: library part "moles usb"
Y1: library part NX3225SA-24.000MHZ-STD-CSR-1
Y2: library part TSX-3225

## Free pads (board coordinates)
  round 1.5 smd far side: 1(11.466,7.417) 1(11.616,4.192) 1(13.766,4.217) 1(16.416,6.817) 1(18.616,24.642)
  round 1.25 smd far side: 1(31.166,20.292) 1(31.166,22.417)
  round 1 smd far side: 1(39.666,8.117)
  round 4.2 hole 4: 2(7.25,6.5) 2(7.25,34.5) 2(44.25,6.5) 2(44.25,34.5)
  round 0.8 smd: 3(10.85,38.9) 3(12.55,39.1) 3(14.366,39.017) 3(16.75,39) 3(19.15,38.8)
  round 0.9 hole 0.6: 3(10.85,38.9) 3(12.55,39.1) 3(14.366,39.017) 3(19.15,38.8) 3(47.441,37.392)
  round 0.8 hole 0.5: 3(16.75,39)
  round 0.75 hole 0.5: 3(39.666,35.042)
  round 0.55 hole 0.35: 4(2.081,3.596) 5(2.081,5.596) 5(2.866,3.596) 7(2.081,7.596) 7(2.081,9.596) 8(2.081,11.596) 9(2.081,13.596) 10(2.081,15.596) 11(2.081,17.596) 12(2.081,19.596) 13(2.081,21.596) 14(2.081,23.596) 15(2.081,25.596) 16(2.081,27.596) 16(2.081,33.596) 17(2.081,29.596) 17(2.081,35.596) 18(2.081,31.596) 18(2.081,37.596) 18(2.716,37.592)
  oval 2x0.5 smd: 20(46.75,13)
  oval 2x0.5 smd rot 45: 20(46.95,16.2)
  round 0.75 smd far side: 22(9.8,16.05)
  round 0.9 smd far side: 22(12.566,16.641) 22(14.9,22.5)
  round 0.75 smd: 23(2.081,5.596) 23(2.081,9.596) 23(2.081,11.596) 23(2.081,13.596) 23(2.081,15.596) 23(2.081,17.596) 23(2.081,19.596) 23(2.081,21.596) 23(2.081,23.596) 23(2.081,25.596) 23(2.081,27.596) 23(2.081,29.596) 23(2.081,31.596) 23(2.081,33.596) 23(2.081,35.596) 24(2.081,7.596)
  oval 1.5x0.75 smd: 23(2.35,37.6) 23(2.45,3.6)

## Via types
v1: diameter 0.4, hole 0.2, Top Layer to Bottom Layer, tented both sides, 219 vias
v2: diameter 0.4, hole 0.25, Top Layer to Bottom Layer, tented both sides, 32 vias
v3: diameter 0.4, hole 0.2, Top Layer to Bottom Layer, tented top, 17 vias
v4: diameter 0.35, hole 0.2, Top Layer to Bottom Layer, tented both sides, 4 vias
v5: diameter 0.6, hole 0.35, Top Layer to Bottom Layer, tented both sides, 2 vias
v6: diameter 0.4, hole 0.25, Top Layer to Bottom Layer, tented top, 2 vias
v7: diameter 0.45, hole 0.25, Top Layer to Bottom Layer, tented both sides, 2 vias
v8: diameter 0.7, hole 0.4, Top Layer to Bottom Layer, tented both sides, 1 vias

## Nets (pads, with @x,y where several pads share a name; then routed paths per layer and width w, separated by ;. In a path a pad name is that pad's centre, name@x,y a point inside that pad or via, vN(x,y) a via of type N, cw(c..) or ccw(c..) an arc to the next point about the centre after c; other vN are vias at no path point)
3.3V-2: F3.1 LDO1.7 | length 1.9
  Top Layer w0.3: F3.1@27.766,35.167 LDO1.7@29.616,35.167
3.3V-4: C7.1 C43.1 C46.1 C47.1 C50.1 C53.1 LDO2.7 pad.1@39.666,8.117 R61.2 U9.1 U9.8 U9.13 U17.2 U17.13 U18.1 | length 31.5
  Top Layer w0.2: C43.1@28.991,4.467 29.016,4.492 U9.1@30.066,4.492 ; v1(30.441,0.967) 30.441,1.117 30.966,1.642 U9.8@30.966,1.992 ; U9.13@33.066,2.492 33.466,2.492 v1(33.766,2.192) ; v1(33.766,3.617) 33.766,3.892 34.042,4.168 U17.2@35.114,4.168 ; C7.1@37.291,6.792 37.351,6.732 U17.13@37.351,5.41
  Top Layer w0.3: v1@36.591,6.317 36.941,6.667 C7.1@37.241,6.667
  Signal1 w0.3: v1(33.766,2.192) v1(33.766,3.617)
  Bottom Layer w0.2: v1(30.441,0.967) 30.441,1.871 ; LDO2.7@38.766,4.542 C53.1@38.766,5.7
  Bottom Layer w0.3: v1(29.391,4.492) 29.391,2.367 29.862,1.896 30.466,1.896 ; 30.441,1.871 30.762,2.192 v1(33.766,2.192) 34.141,2.567 C50.1@34.141,3.442 C50.1@34.141,3.642 ; 36.591,4.767 v1(36.591,6.292) ; C47.1@37.666,5.617 C53.1@38.566,5.617 ; C53.1@38.616,5.607 39.306,5.607 39.666,5.967 pad.1@39.666,8.117
  Bottom Layer w0.5: U18.1@32.966,5.417 33.066,5.517 33.066,3.967 33.391,3.642 C50.1@33.766,3.642 ; C50.1@34.141,3.642 35.691,3.642 C47.1@37.574,5.525
3V3_SENSORS_EN: CON3.20 U1.2 | length 22.4
  Top Layer w0.2: U1.2@24.56,13.484 24.56,15.96 25,16.4 28,16.4 v1(28.2,16.2)
  Signal1 w0.2: v1(28.2,16.2) 29.8,16.2 30,16 30,14.9 31.704,13.196 31.704,9.404 30.862,8.562 30.862,6.691 v1(29.966,5.795)
  Bottom Layer w0.2: CON3.20@28.216,6.442 28.216,5.942 28.622,5.536 29.707,5.536 v1(29.966,5.795)
5V_HIPOWER_OC: R17.2 U1.41 U19.4 | length 15.6
  Top Layer w0.2: U1.41@38.691,22.992 40.308,22.992 41.145,22.155 41.145,17.608 40.797,17.26 40.797,15.353 41.237,14.913 41.237,11.113 41.595,10.755 U19.4@42.568,10.755
5V_PERIRH_OC: R79.1 U1.46 | length 6.8
  Top Layer w0.2: R79.1@37.5,29.51 36.9,28.91 36.9,27.442 36.404,26.946 35.946,26.946 35.8,26.8 35.8,26.2 36.146,25.854 36.746,25.854 37.116,25.484 U1.46@38.06,25.484
A_CH1: R60.1 U3.14 | length 3.4
  Bottom Layer w0.2: R60.1@6.585,23.346 7.196,23.346 7.55,23.7 7.55,24.8 7.74,24.99 U3.14@8.622,24.99
A_CH2: R59.1 U3.15 | length 2.7
  Bottom Layer w0.2: R59.1@6.585,24.421 7.017,24.421 7.196,24.6 7.196,24.947 7.739,25.49 U3.15@8.622,25.49
A_CH3: R58.1 U3.16 | length 2.3
  Bottom Layer w0.2: R58.1@6.585,25.471 7.121,25.471 7.64,25.99 U3.16@8.622,25.99
A_CH4: R57.1 U3.17 | length 2
  Bottom Layer w0.2: R57.1@6.641,26.49 U3.17@8.622,26.49
A_CH5: R56.1 U3.18 | length 2.3
  Bottom Layer w0.2: R56.1@6.585,27.521 7.116,26.99 U3.18@8.622,26.99
ACCEL_MAG_CS: CON3.5 U1.9 | length 6.9
  Top Layer w0.2: v1(27.466,15.717) 28.06,15.123 U1.9@28.06,13.484
  Bottom Layer w0.2: CON3.5@26.216,11.692 26.216,13.268 27.47,14.522 27.47,15.613 v1@27.466,15.617
ADC1: R26.1 U1.18 | length 31
  Top Layer w0.2: U1.18@32.56,13.484 32.516,13.44 32.516,12.442 33.366,11.592 v1(33.916,11.592)
  Signal1 w0.2: v1(33.916,11.592) 34.6,10.908 37.258,10.908 37.95,11.6 39.411,11.6 40.404,12.593 40.404,16.696 39.8,17.3 39.8,18.251 40.349,18.8 40.8,18.8 41.099,19.099 41.099,20.599 41.9,21.4 41.9,24.893 41.246,25.547 41.246,27.446 41.4,27.6 42.1,27.6 42.9,28.4 44.2,28.4 v1(44.3,28.3)
  Bottom Layer w0.2: v1(44.3,28.3) 44.41,28.3 R26.1@44.872,27.838
ADC1_IN: IO2.35 R26.2 | length 4.2
  Bottom Layer w0.2: R26.2@45.872,27.938 46.621,27.938 47.55,28.867 47.817,28.867 48.45,29.5 IO2.35@49.425,29.5
ADC2: R32.1 U1.33 | length 16.1
  Top Layer w0.15: U1.33@38.06,18.984 40.133,18.984 v1(40.466,19.317)
  Signal1 w0.254: v1(40.466,19.317) 40.366,19.417 40.366,20.405 41.519,21.558 41.519,24.735 40.865,25.389 40.865,27.604 41.253,27.992 41.953,27.992 42.853,28.892 v1@44.016,28.892
  Bottom Layer w0.254: v1@44.087,29.038 v1(44.016,28.967) R32.1@44.743,28.967
ADC2_IN: IO2.36 R32.2 | length 5.1
  Bottom Layer w0.254: R32.2@45.776,29.017 46.767,29.017 47.21,29.46 47.21,30.248 48.262,31.3 IO2.36@49.425,31.3
ADC6.6: IO2.34 R43.2 | length 4
  Bottom Layer w0.2: R43.2@45.872,26.638 47.988,26.638 49.05,27.7 IO2.34@49.425,27.7
ALARM: IO2.3 U1.77 | length 48.4
  Top Layer w0.2: U1.77@22.06,26.984 24.399,26.984 25.483,25.9 26.25,25.9 26.541,25.609 v1(26.541,24.992) ; v1(47.666,8.292) 47.666,6.784 48.161,6.289 IO2.3@49.433,6.289
  Bottom Layer w0.2: v1(26.541,24.992) 26.595,24.938 27.512,24.938 27.75,24.7 27.75,23.4 27.15,22.8 25.25,22.8 25.07,22.62 25.07,18.73 25.3,18.5 26.75,18.5 27.796,17.454 31.796,17.454 32.6,16.65 33.899,16.65 35.612,14.937 35.612,11.572 35.938,11.246 37.946,11.246 38.463,11.763 40.337,11.763 42.3,9.8 46.783,9.8 47.666,8.917 v1(47.666,8.292)
ARBER_LED: R48.2 U2.28 | length 20.1
  Top Layer w0.2: R48.2@3.75,2.7 3.75,3.35 4.1,3.7 v2(4.9,3.7) ; U2.28@11.02,10.708 11.592,10.708 12.2,10.1 v2(13.4,10.1)
  Signal1 w0.2: v2(4.9,3.7) 6.8,3.7 7.6,2.9 9.9,2.9 10.7,3.7 12.5,3.7 13.9,5.1 13.9,7.4 13.337,7.963 13.337,10.037 v2(13.4,10.1)
AUX_CH1: IO1.12 pad.15 pad.23@2.081,25.596 R60.2 | length 4.8
  Bottom Layer w0.254: IO1.12@2.081,25.596 3.562,25.596 4.266,24.892 4.266,24.142 4.937,23.471 R60.2@5.585,23.471
AUX_CH2: IO1.13 pad.16@2.081,27.596 pad.23@2.081,27.596 R59.2 | length 5.6
  Bottom Layer w0.2: IO1.13@2.081,27.596 2.185,27.492 3.216,27.492 3.566,27.142 3.566,26.217 4.647,25.136 4.647,24.636 4.787,24.496 R59.2@5.585,24.496
AUX_CH3: IO1.14 pad.17@2.081,29.596 pad.23@2.081,29.596 R58.2 | length 6.2
  Bottom Layer w0.2: IO1.14@2.081,29.596 2.437,29.596 3.231,28.802 3.231,28.198 4.016,27.413 4.016,26.292 4.812,25.496 R58.2@5.585,25.496
  Bottom Layer w0.254: IO1.14@2.066,29.617 IO1.14@2.081,29.617
AUX_CH4: IO1.15 pad.18@2.081,31.596 pad.23@2.081,31.596 R57.2 | length 7.4
  Bottom Layer w0.2: IO1.15@2.081,31.596 2.724,31.596 3.585,30.735 3.585,28.344 4.37,27.559 4.37,26.817 4.666,26.521 R57.2@5.585,26.521
AUX_CH5: IO1.16 pad.16@2.081,33.596 pad.23@2.081,33.596 R56.2 | length 8.4
  Bottom Layer w0.254: IO1.16@2.081,33.596 2.904,33.596 3.966,32.534 3.966,28.502 4.947,27.521 R56.2@5.585,27.521
AUX_CH6: U3.20
BARO_CS: U1.88 U18.5 | length 22.1
  Top Layer w0.2: U1.88@22.06,21.484 26.616,21.484 29,19.1 29.6,19.1 30.466,18.234 v1(30.466,15.842)
  Bottom Layer w0.2: v1@30.466,15.717 v1(30.466,15.842) ; v1@30.466,15.917 31.633,15.917 32.15,15.4 33.108,15.4 34.55,13.958 34.55,11.132 35.166,10.516 U18.5@35.166,9.317
BARO_EXT_CS: CON3.8 U1.8 | length 7.8
  Top Layer w0.2: v1@25.504,15.33 25.737,15.563 26.845,15.563 27.56,14.848 U1.8@27.56,13.484
  Bottom Layer w0.2: CON3.8@24.716,11.692 24.716,14.167 25.491,14.942 v1(25.491,15.342)
BATT_CURRENT: IO2.37 R23.2 | length 5.6
  Bottom Layer w0.254: R23.2@45.872,29.838 46.223,29.838 46.7,30.315 46.7,31.55 48.25,33.1 IO2.37@49.425,33.1